# Altium PCB PCB.PcbDoc (part 3 of 3)
Units mm, origin at the board's own origin, x right, y up, seen from the top; angles counter-clockwise.
Board outline 150 x 100 mm, 4 copper layers (L1, L2, L3, L4), stack 1.787 mm thick; 184 components, 112 nets, 659 pads, 390 vias.
Unrouted connection lines stored in the file: 247.
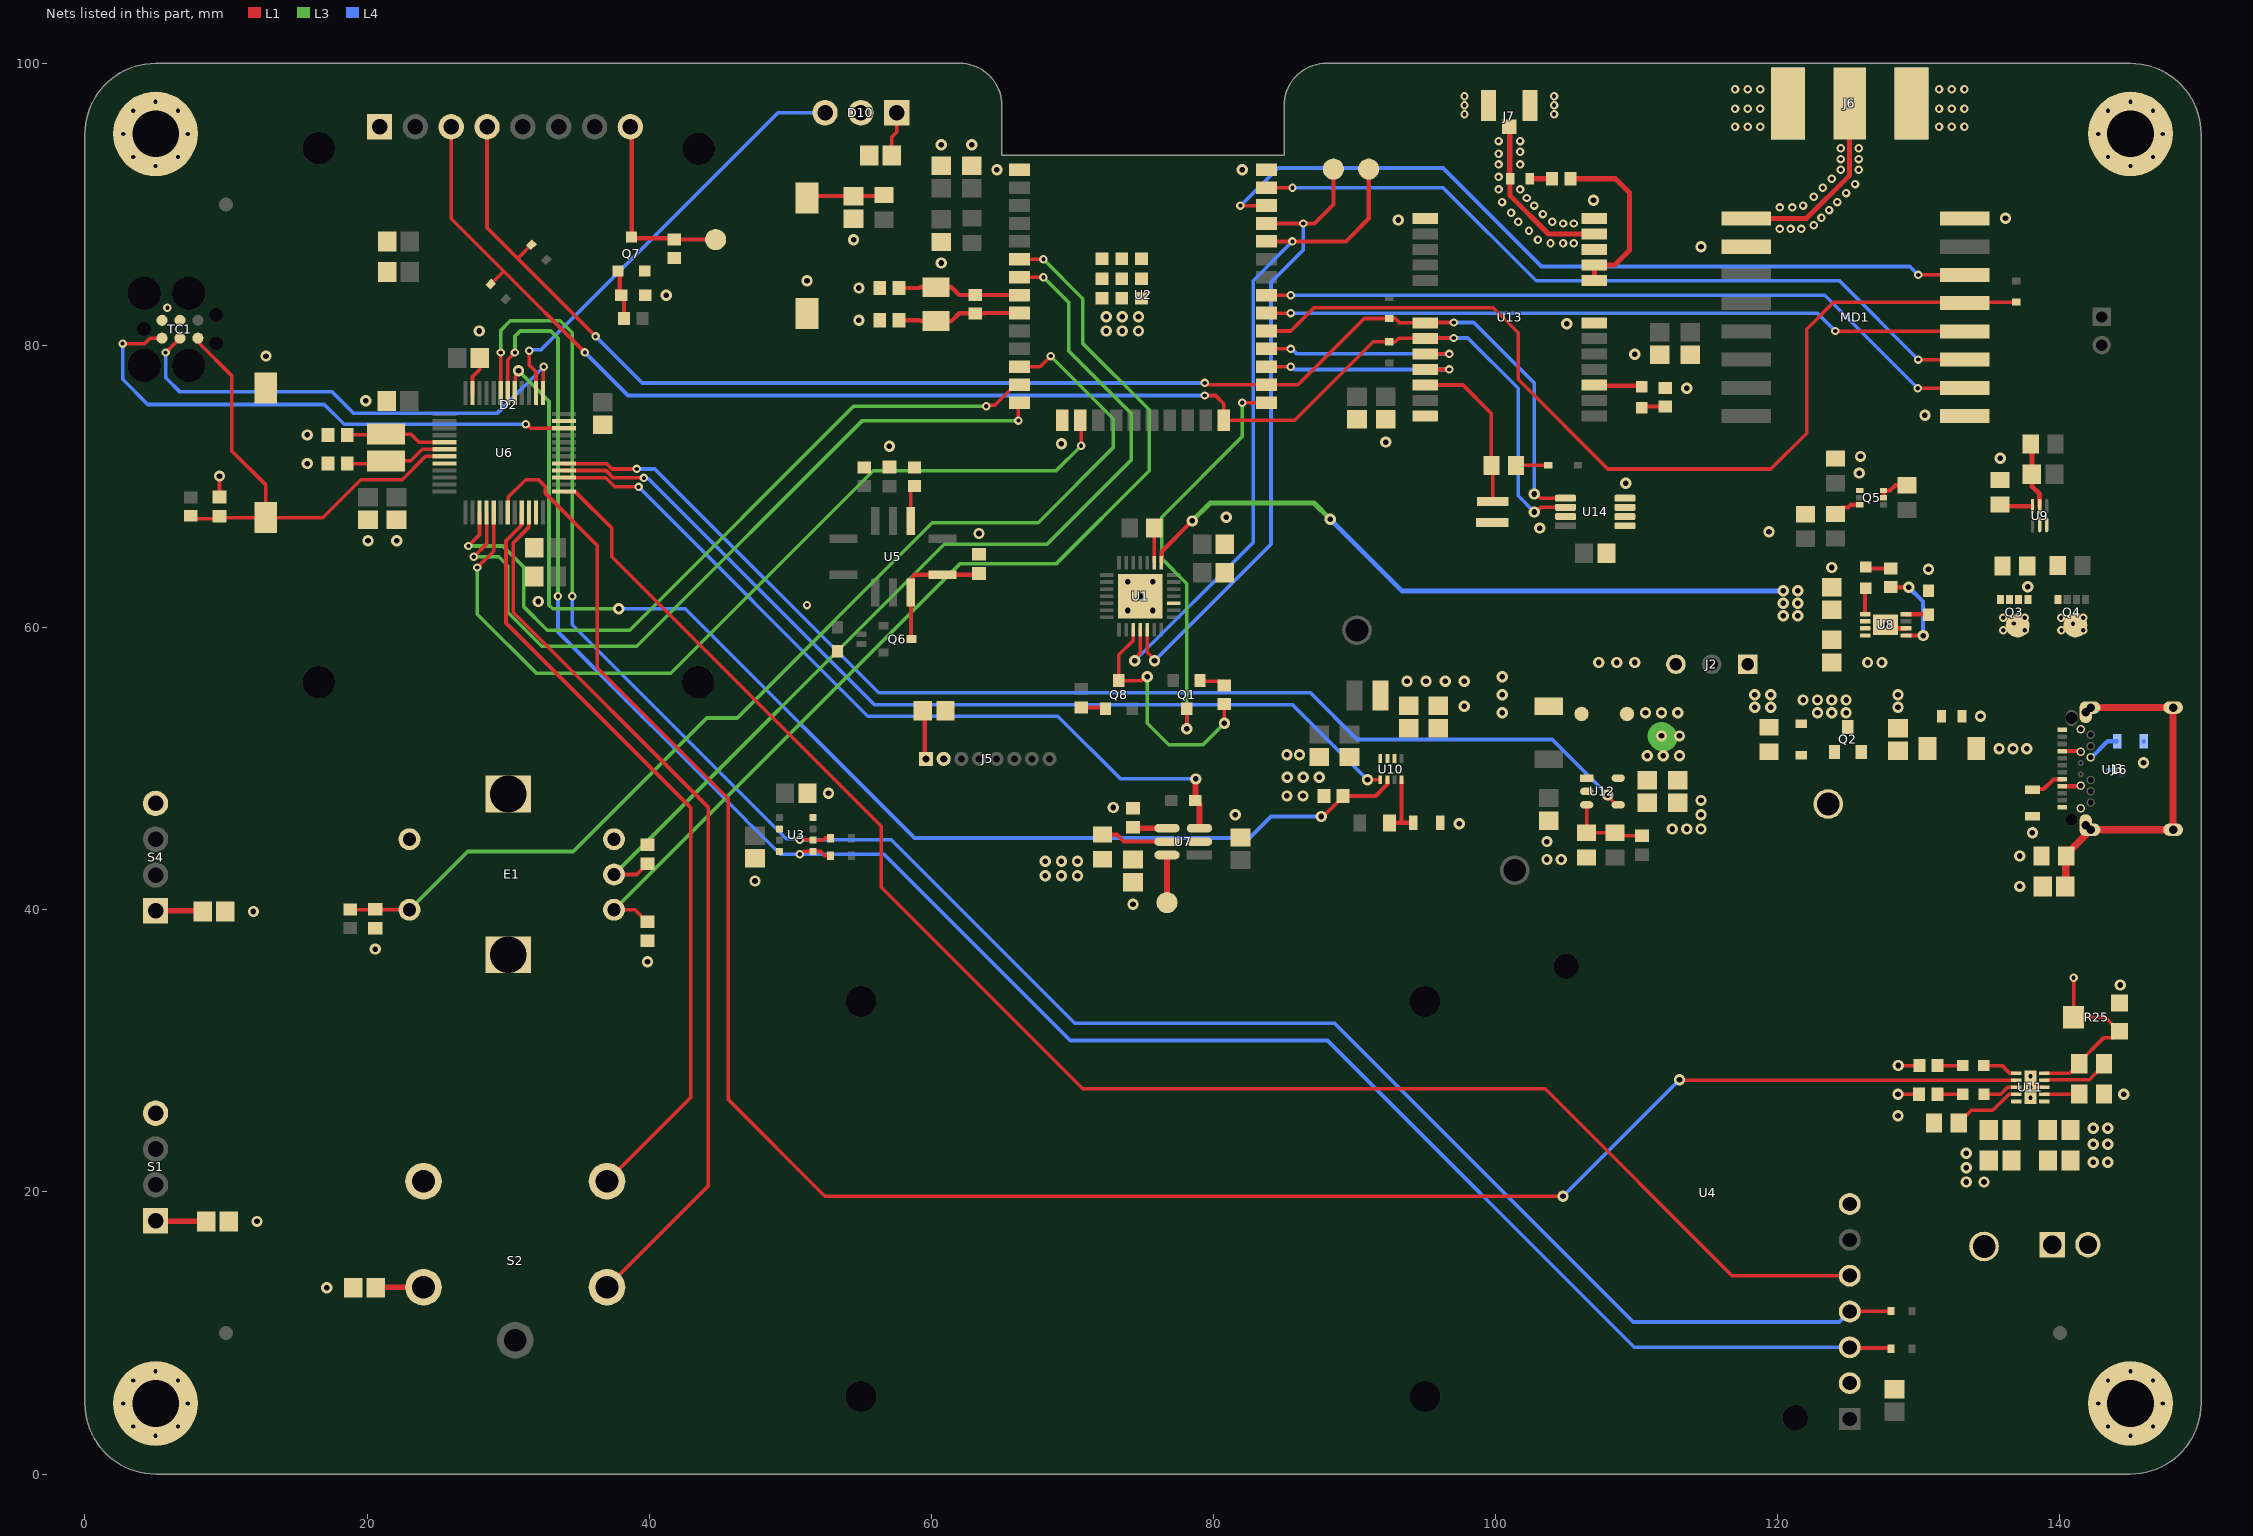
[diagram p5: the nets of this part, all layers, seen from the top]

## Via types
v1: diameter 0.6, hole 0.3, L1 to L4, tented both sides, 163 vias
v2: diameter 0.8, hole 0.4, L1 to L4, tented both sides, 113 vias
v3: diameter 0.8, hole 0.4, L1 to L4, 99 vias
v4: diameter 0.6, hole 0.3, L1 to L4, 13 vias
v5: diameter 0.4, hole 0.2, L1 to L4, tented both sides, 2 vias

## Nets (pads, with @x,y where several pads share a name; then routed paths per layer and width w, separated by ;. In a path a pad name is that pad's centre, name@x,y a point inside that pad or via, vN(x,y) a via of type N, cw(c..) or ccw(c..) an arc to the next point about the centre after c; other vN are vias at no path point) (continued)
GND: BT1.NEG C1.1 C2.1 C3.1 C4.1 C5.1 C6.2 C7.1 C8.1 C9.1 C11.1 C12.1 C13.1 C14.1 C15.1 C16.1 C17.1 C18.1 C19.1 C20.1 C22.1 C23.1 C24.1 C25.1 C26.1 C27.1 C28.1 C29.1 C30.1 C31.1 C32.1 C33.1 C34.1 C35.1 C36.1 C37.2 C38.1 C39.1 C40.1 C41.1 C42.1 C43.1 C44.1 C45.1 C46.1 C47.1 C48.1 C49.1 C50.1 C51.2 C52.1 C53.1 C54.1 C55.1 C56.1 C57.1 C58.1 C59.1 D1.1 D2.1 D10.2 E1.2 E1.C E1.S H1.1 H2.1 H3.1 H4.1 J3.A1 J3.A12 J3.B1 J3.B12 J4.2 J5.2 J6.2 J6.3 J7.2 J7.3 MD1.1 MD1.8 MD1.10 Q3.1 Q3.2 Q3.3 Q5.1 Q7.2 R9.1 R10.1 R11.1 R12.1 R14.1 R15.1 R16.1 R18.1 R23.1 R24.1 R25.3 R26.1 R29.2 R30.1 R31.1 R32.1 R33.1 R35.1 R40.1 R49.2 S1.4 S2.3 S4.4 SW1.1 SW2.2 TC1.2 TC1.4 U1.3 U1.29 U2.1 U2.15 U2.38 U2.39 U3.1 U3.5 U3.7 U4.2 U4.7 U6.8 U6.23 U6.35 U6.47 U7.2 U8.6 U8.9 U10.4 U11.3 U11.11 U12.2 U13.7 U13.10 U13.12 U13.13 U13.24 U14.1 U14.2 U14.3 U14.4 U14.7 U16.3 | length 8.6
  L1 w0.254: C49.1@9.533,69.255 v2(9.533,70.741) ; U6.47@27.468,76.628 27.468,77.784 27.978,78.294 C48.1@27.978,79.121 C48.1@27.94,79.159 ; BT1.NEG@99.742,67.449 BT1.NEG@99.822,67.369 ; MD1.10@117.745,86.995 MD1.10@117.75,87 ; v4(137.901,27.416) U11.3@138.896,27.416
  L1 w0.3: D2.1@20.88,95.5 D2.1@21.425,94.955 ; C4.1@80.802,65.913 C4.1@80.899,66.01 ; U2.38@83.746,92.456 U2.38@83.75,92.46 ; U13.12@106.934,89.066 U13.12@107,89 ; v2(109.22,70.231) v2@109.22,70.358 ; J3.B1@141.425,52.75 J3.B1@141.475,52.8
  L1 w0.35: v3(127.635,60.198) 127.885,59.948 U8.6@129.085,59.948 ; MD1.8@133.25,89 MD1.8@133.263,89.013 ; v2@136.13,89.013 v2(136.144,89.027)
  L4 w0.254: U16.3@143.466,49.911 v5(143.891,49.911)
  L4 w0.3: v2(145.923,50.419) v2@145.937,50.433 ; R15.1@145.937,51.929 R15.1@145.95,51.943
  other v1: 5,2.714 145,2.714 3.412,3.364 6.588,3.364 143.412,3.364 146.588,3.364 2.714,5 7.286,5 142.714,5 147.286,5 3.412,6.636 6.588,6.636 143.412,6.636 146.588,6.636 5,7.286 145,7.286 51.181,61.595 5.842,82.677 103.886,87.249 104.775,87.249 105.537,87.249 102.997,87.503 102.362,88.138 120.142,88.265 120.904,88.265 121.666,88.265 122.555,88.519 104.775,88.646 105.537,88.646 101.6,88.773 104.013,88.773 123.094,89.058 103.347,89.312 101.092,89.408 123.633,89.597 120.142,89.789 121.031,89.789 102.743,89.916 121.793,89.916 100.457,90.17 124.206,90.17 102.204,90.455 122.555,90.551 124.841,90.805 100.203,91.059 101.727,91.059 123.19,91.186 125.476,91.44 123.825,91.821 100.203,91.948 124.46,92.456 125.73,92.456 5,92.714 145,92.714 100.203,92.837 101.727,92.837 124.46,93.218 125.73,93.218 3.412,93.364 6.588,93.364 143.412,93.364 146.588,93.364 100.203,93.599 101.727,93.726 124.46,93.98 125.73,93.98 100.203,94.488 101.727,94.488 2.714,95 7.286,95 142.714,95 147.286,95 116.967,95.504 117.865,95.504 118.763,95.504 131.436,95.504 132.334,95.504 133.232,95.504 97.79,96.393 104.14,96.393 3.412,96.636 6.588,96.636 143.412,96.636 146.588,96.636 116.967,96.774 117.865,96.774 118.763,96.774 131.436,96.774 132.334,96.774 133.232,96.774 97.79,97.028 104.14,97.028 5,97.286 145,97.286 97.79,97.663 104.14,97.663 116.967,98.171 117.865,98.171 118.763,98.171 131.436,98.171 132.334,98.171 133.232,98.171
  other v2: 17.145,13.208 12.192,17.907 128.524,25.4 144.526,26.924 144.272,34.671 39.878,36.322 20.574,37.211 11.938,39.878 74.295,40.386 137.16,41.656 47.498,42.037 137.16,43.815 138.049,45.466 97.409,46.101 81.534,46.736 72.898,47.244 52.705,48.26 32.131,61.849 130.683,64.135 20.058,66.167 22.09,66.167 63.373,66.675 119.38,66.802 103.124,67.056 80.899,67.818 125.769,70.954 15.746,71.628 135.763,72.009 125.857,72.136 57.023,72.867 69.215,73.025 92.202,73.152 15.746,73.66 130.429,75.057 19.901,76.073 113.538,76.962 12.827,79.248 109.855,79.375 27.94,81.026 72.39,81.026 73.533,81.026 74.676,81.026 105.029,81.534 54.862,81.788 72.39,82.042 73.533,82.042 74.676,82.042 41.198,83.566 54.862,84.074 51.181,84.582 60.706,85.852 114.554,86.995 54.483,87.503 93.091,88.9 106.934,90.297 64.643,92.456 82.042,92.456 60.706,94.234 62.854,94.234
  other v3: 133.35,20.701 134.62,20.701 133.35,21.717 142.367,22.098 143.383,22.098 133.35,22.733 142.367,23.368 143.383,23.368 142.367,24.511 143.383,24.511 103.632,43.561 104.648,43.561 103.632,44.831 112.522,45.72 113.538,45.72 114.554,45.72 114.554,46.736 114.554,47.752 85.201,48.07 86.344,48.07 85.217,49.403 86.36,49.403 87.503,49.403 85.201,50.991 86.09,50.991 134.366,53.721 118.364,54.356 119.507,54.356 128.524,54.356 97.774,54.42 118.364,55.245 119.507,55.245 128.524,55.245 93.71,56.198 95.065,56.198 96.419,56.198 97.774,56.198 126.365,57.531 127.381,57.531 73.914,61.214 75.692,61.214 74.803,62.23 137.726,62.89 73.914,63.246 75.692,63.246 123.825,64.262
  other v4: 137.922,26.67 137.922,28.194
GPIO27: C43.2 E1.1 R43.1 U2.12 | length 78.5
  L1 w0.254: R43.1@18.796,40.02 18.816,40 E1.1@23,40 ; U2.12@66.25,78.49 67.695,78.49 v1(68.453,79.248)
  L3 w0.254: E1.1@23,40 27.127,44.127 34.602,44.127 44.069,53.594 46.228,53.594 60.071,67.437 67.564,67.437 72.898,72.771 72.898,74.803 v1(68.453,79.248)
GPIO34: C45.2 E1.A U2.6 | length 73.3
  L1 w0.254: E1.A@37.5,40 38.984,40 39.828,39.156 C45.2@39.878,39.156 ; U2.6@66.25,86.11 66.254,86.106 v1(67.945,86.106)
  L3 w0.254: E1.A@37.5,40 62.016,64.516 68.834,64.516 75.438,71.12 75.438,75.438 70.739,80.137 70.739,83.312 v1(67.945,86.106)
GPIO35: C44.2 E1.B U2.7 | length 68.7
  L1 w0.254: E1.B@37.5,42.5 39.111,42.5 39.624,43.013 C44.2@39.878,43.013 ; U2.7@66.246,84.844 U2.7@66.25,84.84 v1(67.941,84.84)
  L3 w0.254: E1.B@37.5,42.5 60.913,65.913 68.199,65.913 74.168,71.882 74.168,75.184 69.723,79.629 69.723,83.058 v1(67.941,84.84)
IO0: Q1.3 U2.25 | length 29.4
  L1 w0.254: Q1.3@78.097,54.245 78.105,54.237 v2(78.105,52.832) ; v1(82.042,75.946) 83.746,75.946 U2.25@83.75,75.95
  L3 w0.254: v2(78.105,52.832) 78.105,60.927 78.088,60.944 78.088,61.484 78.105,61.501 78.105,63.119 76.327,64.897 76.327,67.835 82.042,73.55 v1(82.042,75.946)
LOAD: R39.1 U6.27 U7.3 | length 57.3
  L1 w0.254: U6.27@33.956,70.64 33.979,70.617 36.915,70.617 37.555,69.977 v1(39.243,69.977)
  L1 w0.4: v2(78.74,49.276) 78.721,49.257 78.721,47.771 R39.1@78.701,47.752 78.751,47.752 79.001,47.502 U7.3@79.001,45.781
  L4 w0.254: v1(39.243,69.977) 55.499,53.721 68.961,53.721 73.406,49.276 v2(78.74,49.276)
MISO: MD1.2 U2.31 | length 52.3
  L1 w0.254: U2.31@83.75,83.57 83.754,83.566 v1(85.471,83.566) ; v1(129.921,76.962) 133.212,76.962 MD1.2@133.25,77
  L4 w0.254: v1(85.471,83.566) 123.317,83.566 v1(129.921,76.962)
MOSI: MD1.3 U2.37 | length 54.6
  L1 w0.254: U2.37@83.75,91.19 83.754,91.186 v1(85.598,91.186) ; v1(129.959,79) MD1.3@133.25,79 MD1.3@133.288,79.038
  L4 w0.254: v1(85.598,91.186) 96.266,91.186 102.87,84.582 124.377,84.582 v1(129.959,79)
NetBT1_POS: BT1.POS R41.1 U13.22 | length 11.8
  L1 w0.254: U13.22@95,77.2 97.679,77.2 99.695,75.184 R41.1@99.695,71.501 99.792,71.404 BT1.POS@99.792,68.949
NetC6_1: C6.1 R36.2 SW1.2 | length 5.5
  L1 w0.3: SW1.2@51.181,90.458 51.312,90.589 C6.1@54.483,90.589 56.567,90.589 R36.2@56.642,90.664
NetC8_2: C8.2 D1.2 F1.1 Q2.2
NetC9_2: C9.2 J2.1 U8.3 U8.4
NetC10_2: C10.2 R8.1 U9.5 | length 4.7
  L1 w0.35: R8.1@137.936,73.025 138.011,72.95 C10.2@138.011,70.866 138.011,70.016 138.557,69.47 U9.5@138.557,68.599
NetC11_2: C11.2 J3.S R16.2 | length 25.6
  L1 w0.5: C11.2@140.373,41.783 140.41,41.821 140.41,43.777 R16.2@140.448,43.815 140.448,43.915 141.848,45.315 141.848,45.485 142.033,45.67 J3.S@142.175,45.67 J3.S@148.025,45.67 J3.S@148.025,54.33 144.78,54.33 ; J3.S@141.825,54.005 142.15,54.33 144.78,54.33 ; 144.766,54.344 144.78,54.33
NetC13_2: C13.2 C14.2 C19.2 C20.2 C23.2 C58.2 J2.3 L2.1 R19.2 R20.2 TP3.1 U10.2 U11.10 U12.5 | length 3.2
  L1 w0.254: v2(128.524,26.924) R19.2@130.018,26.924 R19.2@130.033,26.939 ; v2(128.539,28.956) R20.2@130.033,28.956
  L3 w2: v3(111.76,52.324) v3@111.875,52.209
  other v3: 110.744,50.927 111.887,50.927 113.03,50.927 113.03,52.324 100.457,53.975 110.617,53.975 111.76,53.975 112.903,53.975 100.457,55.245 100.457,56.515 107.315,57.531 108.585,57.531 109.855,57.531
NetC17_2: C17.2 C18.2 J4.1 U11.1
NetC21_1: C21.1 R22.1 R24.2 U12.3 | length 6
  L1 w0.254: U12.3@106.454,47.437 106.454,45.48 R24.2@106.426,45.452 R22.1@108.458,45.452 108.658,45.252 C21.1@110.363,45.252
NetC30_2: C30.2 Q6.3 U5.H U5.J | length 9.3
  L1 w0.3: Q6.3@58.587,59.182 58.557,59.212 58.557,62.454 U5.H@58.527,62.484 58.677,62.634 58.677,63.578 58.853,63.754 U5.J@60.777,63.754 63.286,63.754 C30.2@63.373,63.841
NetC37_1: C37.1 U7.4 | length 2.4
  L1 w0.4: C37.1@74.295,45.847 74.361,45.781 U7.4@76.701,45.781
NetC46_2: C46.2 R44.1 U2.8 Y1.2 | length 8.8
  L1 w0.3: C46.2@57.698,84.074 59.168,84.074 59.225,84.131 Y1.2@60.325,84.131 61.425,84.131 61.975,83.581 R44.1@63.119,83.581 63.744,83.581 63.755,83.57 U2.8@66.25,83.57
NetC47_2: C47.2 R44.2 U2.9 Y1.1 | length 8.8
  L1 w0.3: C47.2@57.698,81.788 59.168,81.788 59.225,81.731 Y1.1@60.325,81.731 61.425,81.731 61.975,82.281 R44.2@63.119,82.281 63.744,82.281 63.763,82.3 U2.9@66.25,82.3
NetC52_2: C52.2 U6.5 Y2.2 | length 7.2
  L1 w0.254: C52.2@18.582,73.66 21.275,73.66 Y2.2@21.336,73.721 23.09,73.721 23.671,73.14 U6.5@25.48,73.14
NetC53_2: C53.2 U6.6 Y2.1 | length 7.3
  L1 w0.254: C53.2@18.582,71.628 21.143,71.628 Y2.1@21.336,71.821 23.09,71.821 23.909,72.64 U6.6@25.48,72.64
NetD2_8: D2.8 Q7.3 R49.1 TP6.1 | length 13.8
  L1 w0.3: Q7.3@38.643,87.595 Q7.3@38.735,87.687 ; D2.8@38.66,95.5 38.761,95.399 Q7.3@38.761,87.731 ; Q7.3@38.89,87.602 41.699,87.602 R49.1@41.783,87.518 41.791,87.511 44.696,87.511 TP6.1@44.704,87.503
NetD4_2: D4.2 R7.1 | length 1.8
  L1 w0.3: D4.2@126.238,64.301 126.353,64.186 R7.1@128.016,64.186
NetD5_1: D5.1 Q2.1 R9.2
NetD7_1: D7.1 R19.1 | length 1.8
  L1 w0.254: R19.1@131.318,26.924 D7.1@133.12,26.924
NetD7_2: D7.2 U11.8 | length 2.5
  L1 w0.254: D7.2@134.62,26.924 135.796,26.924 136.288,27.416 U11.8@136.906,27.416
NetD8_1: D8.1 R20.1 | length 1.8
  L1 w0.254: R20.1@131.333,28.956 D8.1@133.108,28.956
NetD8_2: D8.2 U11.6 | length 2.5
  L1 w0.254: D8.2@134.608,28.956 135.89,28.956 136.422,28.424 136.898,28.424 U11.6@136.906,28.416
NetD9_2: D9.2 L2.2 U12.1
NetD11_1: D11.1 U13.3 | length 3.4
  L1 w0.3: U13.3@107,77.2 107.062,77.138 110.302,77.138 D11.1@110.363,77.077
NetD11_2: D11.2 R40.2 | length 1.7
  L1 w0.254: D11.2@110.363,75.577 110.463,75.677 R40.2@112.014,75.677
NetD12_1: D12.1 R41.2 | length 2.3
  L1 w0.254: R41.2@101.445,71.501 D12.1@103.72,71.501
NetF1_2: F1.2 J3.A4 J3.A9 J3.B4 J3.B9 | length 2.7
  L1 w0.3: J3.A4@140.165,48.75 141.425,48.75 J3.B9@141.475,48.8 ; J3.A9@140.165,51.25 141.425,51.25 J3.B4@141.475,51.2
  other v3: 135.687,51.41 136.677,51.41 137.643,51.41
NetJ3_A5: J3.A5 R14.2 | length 2.4
  L1 w0.3: R14.2@138.049,48.514 138.086,48.551 138.848,48.551 139.537,49.24 140.155,49.24 J3.A5@140.165,49.25
NetJ3_B5: J3.B5 R15.2 | length 2.3
  L4 w0.3: J3.B5@142.175,50.8 142.24,50.8 143.383,51.943 R15.2@144.05,51.943
NetJ6_1: J6.1 MD1.9 | length 13.7
  L1 w0.362: MD1.9@117.75,89 122.02,89 125.095,92.075 J6.1@125.095,97.155
NetJ7_1: J7.1 L3.1 U13.11 | length 12
  L1 w0.362: J7.1@100.965,95.503 100.996,95.472 100.996,91.852 L3.1@101.027,91.821 101.027,90.616 103.743,87.9 U13.11@107,87.9
NetL1_1: L1.1 U10.3
NetL3_2: L3.2 R42.1 | length 1.6
  L1 w0.362: L3.2@102.427,91.821 R42.1@103.998,91.821
NetQ1_1: Q1.1 R4.1 | length 1.9
  L1 w0.254: Q1.1@79.047,56.245 79.097,56.195 80.267,56.195 80.269,56.193 80.466,56.193 R4.1@80.764,55.895
NetQ3_4: Q3.4 R12.2 U9.2
NetQ3_5-6-7-8: Q3.5-6-7-8 Q4.5-6-7-8
  other v4: 135.989,59.808 137.513,59.808 140.106,59.817 141.656,59.817 140.919,60.274 136.726,60.291 135.989,60.697 137.513,60.697 140.081,60.706 141.656,60.706
NetQ4_4: Q4.4 R13.1 U9.3
NetQ5_3: Q5.3 R28.2 | length 2
  L1 w0.3: R28.2@124.079,68.058 124.527,68.506 124.968,68.506 125.177,68.715 Q5.3@125.808,68.715
NetQ5_5: Q5.5 Q5.6 R27.2 | length 2.3
  L1 w0.3: Q5.5@127.508,69.215 Q5.6@127.508,69.715 127.959,69.715 128.334,70.09 R27.2@129.159,70.09
NetQ7_1: Q7.1 R34.2 R35.2 | length 3.5
  L1 w0.3: Q7.1@37.912,85.23 37.912,83.793 38.212,83.493 R34.2@38.212,81.915 R34.2@38.139,81.988
NetQ8_1: Q8.1 R6.1 | length 1.8
  L1 w0.3: R6.1@70.612,54.341 72.241,54.341 Q8.1@72.337,54.245
NetR2_2: R2.2 U1.9 | length 2.5
  L1 w0.254: U1.9@75.805,64.602 R2.2@75.805,67.056
NetR7_2: R7.2 U8.5 | length 6.4
  L1 w0.254: U8.5@129.085,59.448 U8.5@129.091,59.442 ; v2@130.296,59.442 v2(130.302,59.436)
  L1 w0.3: R7.2@128.016,62.886 128.037,62.865 v2(129.286,62.865) ; U8.5@129.091,59.442 v2@130.296,59.442
  L4 w0.3: v2(129.286,62.865) 130.302,61.849 v2(130.302,59.436)
NetR10_2: R10.2 U8.8 | length 1.6
  L1 w0.3: U8.8@129.085,60.948 130.581,60.948 R10.2@130.683,61.05
NetR11_2: R11.2 U9.6 | length 2.3
  L1 w0.3: R11.2@135.763,68.721 135.885,68.599 U9.6@138.057,68.599
NetR17_2: R17.2 R18.2 U10.8 | length 4.8
  L1 w0.3: R17.2@92.474,46.165 93.346,46.165 ; U10.8@93.317,49.225 93.317,46.194 93.346,46.165 ; R18.2@94.218,46.165 93.346,46.165
NetR21_2: R21.2 U11.4 | length 4.8
  L1 w0.254: U11.4@138.896,27.916 138.904,27.924 139.21,27.924 139.236,27.951 142.083,27.951 143.115,28.983 R21.2@143.115,29.083
NetR23_2: R23.2 U11.9 | length 5
  L1 w0.254: R23.2@132.828,24.892 132.828,24.992 133.276,25.44 133.376,25.44 133.717,25.781 135.236,25.781 136.363,26.908 136.898,26.908 U11.9@136.906,26.916
NetR26_2: R26.2 U11.2 | length 2.5
  L1 w0.254: U11.2@138.896,26.916 141.357,26.916 R26.2@141.365,26.924
NetR32_2: R32.2 U5.A | length 2.6
  L1 w0.254: U5.A@58.527,67.564 58.527,69.782 R32.2@58.801,70.056
NetR38_1: R38.1 U7.5 | length 4.8
  L1 w0.3: R38.1@72.136,45.325 73.166,45.325 73.66,44.831 U7.5@76.701,44.831
NetR42_2: R42.2 U13.8 U13.9 | length 12.7
  L1 w0.362: R42.2@105.298,91.821 108.5,91.821 109.474,90.847 109.474,86.741 108.433,85.7 U13.9@107,85.7 U13.8@107,84.6
NRST: C49.2 R5.1 SW2.1 TC1.5 U6.7 | length 34.5
  L1 w0.254: R5.1@7.501,67.705 9.458,67.705 9.533,67.78 12.812,67.78 SW2.1@12.827,67.795 ; TC1.5@8.128,80.501 8.103,80.476 8.103,80.162 10.39,77.875 10.39,72.541 12.827,70.104 SW2.1@12.827,67.795 ; U6.7@25.48,72.14 24.144,72.14 22.489,70.485 19.551,70.485 16.861,67.795 SW2.1@12.827,67.795
RDY: U4.5 U6.25 | length 117.9
  L1 w0.254: U6.25@33.956,69.64 33.979,69.617 34.777,69.617 37.338,67.056 37.338,65.024 56.453,45.909 56.453,41.591 70.739,27.305 103.505,27.305 116.75,14.06 U4.5@125.1,14.06
REG_3V3: U6.28 U10.5 | length 66.9
  L1 w0.254: U6.28@33.956,71.14 36.928,71.14 37.456,70.612 v1(39.624,70.612) ; v2(90.916,49.213) 90.922,49.219 91.811,49.219 U10.5@91.817,49.225
  L4 w0.254: v1(39.624,70.612) 39.69,70.546 39.944,70.546 55.945,54.545 85.584,54.545 v2(90.916,49.213)
REG_5V: U6.29 U12.4 | length 84.8
  L1 w0.254: U6.29@33.956,71.64 33.979,71.617 36.987,71.617 37.357,71.247 v1(39.116,71.247) ; v2(107.95,48.133) 107.95,48.043 108.556,47.437 U12.4@108.685,47.437
  L4 w0.254: v1(39.116,71.247) 40.386,71.247 56.261,55.372 86.868,55.372 90.17,52.07 104.013,52.07 v2(107.95,48.133)
RST: MD1.6 U2.36 | length 57.5
  L1 w0.254: v1(81.91,89.916) 83.754,89.916 U2.36@83.75,89.92 ; v1(129.959,85) MD1.6@133.25,85 MD1.6@133.288,85.038
  L4 w0.254: v1(81.91,89.916) 84.577,92.583 96.266,92.583 103.251,85.598 129.361,85.598 v1(129.959,85)
RTS: Q8.3 R4.2 U1.24 | length 17.6
  L1 w0.254: U1.24@74.303,59.86 74.3,59.857 74.3,59.082 73.287,58.069 Q8.3@73.287,56.245 74.893,56.245 75.163,56.515 v2(75.311,56.515) ; R4.2@80.764,54.595 80.772,54.587 v2(80.772,53.213)
  L3 w0.254: v2(75.311,56.515) 75.311,53.213 76.835,51.689 79.248,51.689 v2(80.772,53.213)
RX: TP5.1 U1.25 U2.34 | length 48.1
  L1 w0.254: v2(74.422,57.658) 74.422,57.806 74.803,58.187 U1.25@74.803,59.86
  L1 w0.3: U2.34@83.75,87.38 v1(85.594,87.38) 89.38,87.38 91,89 TP5.1@91,92.502
  L4 w0.254: v2(74.422,57.658) 82.804,66.04 82.804,84.59 v1(85.594,87.38)
RXD: U2.27 U13.21 | length 14.8
  L1 w0.254: U2.27@83.754,78.486 v1(85.471,78.486) ; U13.21@95,78.3 v1(96.717,78.3)
  L4 w0.254: v1(85.471,78.486) 85.565,78.486 85.751,78.3 v1(96.717,78.3)
S\S\: MD1.5 R50.2 U2.29 | length 69.8
  L1 w0.254: U2.29@83.75,81.03 83.754,81.026 85.471,81.026 87.122,82.677 99.822,82.677 101.6,80.899 101.6,77.597 107.95,71.247 119.507,71.247 122.047,73.787 122.047,81.153 123.952,83.058 130.048,83.058 133.192,83.058 MD1.5@133.25,83 133.32,83.07 R50.2@136.906,83.07
SCK: MD1.4 U2.30 | length 50.1
  L1 w0.254: U2.30@83.75,82.3 83.754,82.296 v1(85.471,82.296) ; v1(124.079,81.026) 124.092,81.013 129.946,81.013 129.959,81 MD1.4@133.25,81 MD1.4@133.288,81.038
  L4 w0.254: v1(85.471,82.296) 122.809,82.296 v1(124.079,81.026)
SCL: R45.1 R46.1 U3.4 U4.3 U6.42 | length 146.5
  L1 w0.254: U6.42@29.968,76.628 29.968,78.99 v1(30.48,79.502) ; v1(50.673,43.942) 50.767,43.942 50.964,44.139 U3.4@51.619,44.139 52.143,44.139 52.467,43.815 R45.1@52.844,43.815 ; U4.3@125.1,8.98 125.145,8.935 127.983,8.935 R46.1@128.028,8.89
  L3 w0.254: v1(30.48,79.502) 30.48,80.645 30.861,81.026 33.02,81.026 33.528,80.518 v1(33.528,62.23) ; v1(50.673,43.942) v1@50.72,43.942
  L4 w0.254: v1(33.528,62.23) 33.528,59.69 46.846,46.372 46.846,46.339 47.228,45.957 47.261,45.957 49.276,43.942 v1(50.673,43.942) 56.642,43.942 69.85,30.734 88.079,30.734 109.833,8.98 U4.3@125.1,8.98
SCL2: D2.3 R48.1 R52.1 U2.24 U13.19 U14.6 | length 105.6
  L1 w0.254: D2.3@25.96,95.5 25.96,88.988 29.681,85.266 ; R52.1@28.765,84.35 29.681,85.266 ; v1(35.439,79.508) 29.681,85.266 ; v1(79.375,76.454) 80.137,76.454 80.715,75.876 U2.24@80.715,74.7 85.749,74.7 91.317,80.268 91.731,80.268 91.735,80.264 R48.1@92.456,80.264 92.883,80.264 93.119,80.5 U13.19@95,80.5 ; U13.19@94.93,80.53 v1(97.024,80.53) ; v2(102.743,68.199) 102.891,68.199 103.216,68.524 U14.6@104.956,68.524
  L4 w0.254: v1(35.439,79.508) 38.494,76.454 v1(79.375,76.454) ; v1(97.024,80.53) 98.032,80.53 101.6,76.962 101.6,69.342 v2(102.743,68.199)
SDA: R3.1 R37.1 U3.3 U4.4 U6.43 | length 147.4
  L1 w0.254: v1(29.464,79.502) 29.466,79.5 29.466,76.63 U6.43@29.468,76.628 ; v1(50.673,44.958) 50.682,44.949 51.61,44.949 U3.3@51.619,44.939 52.321,44.939 52.467,45.085 R37.1@52.844,45.085 ; U4.4@125.1,11.52 125.119,11.539 128.01,11.539 R3.1@128.028,11.557
  L3 w0.254: v1(29.464,79.502) 29.464,81.066 30.143,81.744 33.699,81.744 34.544,80.899 v1(34.544,62.23)
  L4 w0.254: v1(34.544,62.23) 34.544,60.198 49.718,45.024 50.607,45.024 v1(50.673,44.958) 57.15,44.958 70.165,31.943 88.58,31.943 109.747,10.776 124.356,10.776 U4.4@125.1,11.52
SDA2: D2.4 R47.1 R51.1 U2.26 U13.18 U14.5 | length 101.3
  L1 w0.254: D2.4@28.5,95.5 28.5,88.34 v1(36.195,80.645) ; 30.729,86.228 R51.1@31.645,87.144 R51.1@31.563,87.144 ; v1@79.592,77.22 U2.26@83.75,77.22 85.983,77.22 90.678,81.915 R47.1@92.456,81.915 92.883,81.915 93.198,81.6 U13.18@95,81.6 U13.18@95.061,81.661 ; U13.18@94.93,81.63 v1(97.024,81.63) ; v2(102.743,69.469) 102.891,69.469 103.186,69.174 U14.5@104.956,69.174
  L4 w0.254: v1(36.195,80.645) 39.497,77.343 v1(79.375,77.343) ; v1(97.024,81.63) 98.456,81.63 102.743,77.343 v2(102.743,69.469)
SIG: D10.3 U6.38 | length 31.1
  L1 w0.254: v1(31.496,79.629) 31.496,78.616 31.968,78.144 U6.38@31.968,76.628
  L4 w0.254: v1(31.496,79.629) 31.562,79.695 32.324,79.695 49.129,96.5 D10.3@52.46,96.5
SO2_RX: S2.5 U6.22 | length 64.1
  L1 w0.254: U6.22@31.468,68.152 31.445,68.129 31.445,67.098 30.351,66.004 30.351,64.083 30.353,64.081 30.353,61.088 44.196,47.245 44.196,20.434 S2.5@37.002,13.241
SO2_TX: S2.4 U6.21 | length 55.7
  L1 w0.254: U6.21@30.968,68.152 30.945,68.129 30.945,67.267 29.847,66.169 29.847,60.323 42.926,47.244 42.926,26.683 S2.4@37.002,20.759
Solar_E\N\: U6.19 U11.7 | length 150.9
  L1 w0.254: U6.19@29.968,68.152 29.991,68.175 29.991,69.234 31.242,70.485 32.15,70.485 32.639,69.996 32.639,69.504 36.322,65.821 36.322,57.15 45.593,47.879 45.593,26.543 52.451,19.685 v2(104.775,19.685) ; v2(113.03,27.94) 113.046,27.924 136.898,27.924 U11.7@136.906,27.916
  L4 w0.254: v2(104.775,19.685) v2(113.03,27.94)
SPI_MISO: U2.14 U6.16 | length 54.6
  L1 w0.254: v1(27.559,65.024) 28.468,65.933 U6.16@28.468,68.152 ; v1(66.167,74.676) 66.167,75.867 U2.14@66.25,75.95
  L3 w0.254: v1(27.559,65.024) 29.337,65.024 29.972,64.389 29.972,61.087 32.385,58.674 39.116,58.674 55.118,74.676 v1(66.167,74.676)
SPI_MOSI: U2.16 U6.17 | length 60.7
  L1 w0.254: v1(27.813,64.262) 28.968,65.417 U6.17@28.968,68.152 ; U2.16@70.555,74.7 70.612,74.643 v1(70.612,72.898)
  L3 w0.254: v1(27.813,64.262) 27.816,64.259 27.816,60.957 32.004,56.769 41.529,56.769 55.88,71.12 68.834,71.12 v1(70.612,72.898)
SPI_SCK: U2.13 U6.15 | length 53.1
  L1 w0.254: v1(27.178,65.786) 27.968,66.576 U6.15@27.968,68.152 ; v1(63.881,75.692) 63.947,75.758 64.488,75.758 65.95,77.22 U2.13@66.25,77.22
  L3 w0.254: v1(27.178,65.786) 29.609,65.786 31.115,64.28 31.115,61.468 32.766,59.817 38.608,59.817 54.483,75.692 v1(63.881,75.692)
SS: C16.2 U6.41 U10.6 | length 87.4
  L1 w0.254: U6.41@30.468,76.628 30.491,76.651 30.491,77.824 30.734,78.067 v2(30.734,78.215) v2@30.734,78.232 ; v2(87.63,46.609) 87.767,46.609 89.178,48.02 C16.2@89.178,48.07
  L1 w0.3: C16.2@89.178,48.07 91.495,48.07 92.307,48.882 92.307,49.215 U10.6@92.317,49.225
  L3 w0.254: v2(30.734,78.215) 32.893,76.056 32.893,61.595 33.147,61.341 v2(37.846,61.341)
  L4 w0.254: v2(37.846,61.341) 42.545,61.341 58.801,45.085 82.55,45.085 84.074,46.609 v2(87.63,46.609)
SWCLK: TC1.3 U6.37 | length 34.3
  L1 w0.254: v1(5.715,79.502) TC1.3@6.731,80.518 ; U6.37@32.468,76.628 32.49,76.65 32.49,78.464 v1(32.512,78.486)
  L4 w0.254: v1(5.715,79.502) 5.715,77.724 6.731,76.708 17.526,76.708 19.05,75.184 29.21,75.184 v1(32.512,78.486)
SWDIO: TC1.1 U6.34 | length 38.2
  L1 w0.254: v1(2.667,80.137) 4.232,80.137 4.613,80.518 TC1.1@5.461,80.518 ; v1(31.242,74.422) 31.336,74.422 31.618,74.14 U6.34@33.956,74.14
  L4 w0.254: v1(2.667,80.137) 2.667,77.597 4.445,75.819 16.971,75.819 18.368,74.422 v1(31.242,74.422)
TS: R21.1 R25.1 R25.2 U11.5 | length 13.1
  L1 w0.254: U11.5@138.896,28.416 140.698,28.416 140.817,28.535 140.917,28.535 141.365,28.983 R21.1@141.365,29.083 141.365,29.183 143.094,30.912 143.747,30.912 R25.1@144.22,31.385 143.22,32.385 R25.2@140.97,32.385 v1(140.97,35.179)
TX: TP8.1 U1.26 U2.35 | length 45.6
  L1 w0.254: U1.26@75.303,59.86 75.303,58.246 75.819,57.73 v2(75.819,57.658)
  L1 w0.3: U2.35@83.75,88.65 83.754,88.646 87.146,88.646 88.5,90 TP8.1@88.5,92.5
  L4 w0.254: v2(75.819,57.658) 78.723,60.562 79.392,61.231 84.074,65.913 84.074,84.477 86.36,86.763 v1(86.36,88.646)
TXD: U2.28 U13.20 | length 14.8
  L1 w0.254: U2.28@83.75,79.76 83.754,79.756 v1(85.471,79.756) ; U13.20@95,79.4 v1(96.717,79.4)
  L4 w0.254: v1(85.471,79.756) 85.565,79.756 85.921,79.4 v1(96.717,79.4)
VBUS: C7.2 D4.1 D5.2 Q2.3 TP1.1 U1.8 U8.1 U8.2 | length 50.8
  L1 w0.3: U1.8@76.303,64.6 76.303,65.381 v2(78.486,67.564) ; U8.1@126.185,60.948 126.185,62.748 D4.1@126.238,62.801
  L3 w0.35: v2(78.486,67.564) 79.756,68.834 87.122,68.834 v2(88.265,67.691)
  L4 w0.35: v2(88.265,67.691) 93.345,62.611 v3(120.396,62.611)
  other v3: 122.809,53.975 123.825,53.975 124.841,53.975 121.793,54.864 122.809,54.864 123.825,54.864 124.841,54.864 120.396,60.833 121.412,60.833 120.396,61.722 121.412,61.722 121.412,62.611
VCC: C24.2 C25.2 C26.2 C29.2 C35.2 C59.2 D10.1 J5.1 R38.2 S1.1 S2.2 S4.1 TP7.1 U7.6 | length 20.4
  L1 w0.254: C29.2@57.188,93.472 57.188,94.78 57.54,95.132 D10.1@57.54,96.5
  L1 w0.3: C59.2@59.525,54.102 59.525,50.8 J5.1@59.625,50.7
  L1 w0.4: S1.1@5,17.96 5.053,17.907 C25.2@8.598,17.907 ; S4.1@5,39.92 8.302,39.92 C26.2@8.344,39.878 ; C24.2@20.612,13.208 20.645,13.241 S2.2@23.998,13.241 ; TP7.1@76.701,40.506 U7.6@76.701,43.881
  other v3: 68.072,42.418 69.215,42.418 70.358,42.418 68.072,43.434 69.215,43.434 70.358,43.434
pads on no net: D2. D2.7 FID1.1 FID2.1 FID3.1 J3. J3.A2 J3.A3 J3.A8 J3.A10 J3.A11 J3.B2 J3.B3 J3.B8 J3.B10 J3.B11 J5.7 J5.8 MD1.7 MD1.11 MD1.12 MD1.15 MD1.16 S1.3 S2.1 S4.3 TC1.None U1.1 U1.2 U1.10 U1.11 U1.12 U1.13 U1.14 U1.15 U1.16 U1.17 U1.18 U1.19 U1.20 U1.21 U1.22 U1.23 U1.27 U2.4 U2.5 U2.17 U2.18 U2.19 U2.20 U2.21 U2.22 U2.32 U4. U5.C U5.D U5.E U5.F U5.G U5.K U6.2 U6.3 U6.4 U6.13 U6.39 U6.40 U6.44 U6.45 U6.46 U8.7 U9.1 U10.1 U13.1 U13.2 U13.4 U13.5 U13.6 U13.14 U13.15 U13.16 U13.17 U15.1

## Polygon pours and split planes (outlines as drawn)
3V3 on L3 "3V3_L03_P011" (solid, remove dead copper, pour order 11): 0,0 0,100 0.076,100.076 150,100.076 150,0
NetC13_2 on L3 "NETC13_2_L03_P008" (solid, remove dead copper, pour order 8): 99.06,52.832 99.06,58.928 113.792,58.928 113.792,49.784 109.728,49.784 109.728,52.832
VCC on L3 "VCC_L03_P003" (solid, remove dead copper, pour order 3): 9.144,30.226 66.802,30.226 66.802,44.958 71.628,44.958 71.628,27.305 9.144,27.305
VCC on L3 "VCC_L03_P002" (solid, pour order 2): 3.81,19.05 8.255,19.05 8.255,38.735 3.81,38.735 3.81,41.275 10.16,41.275 10.16,16.51 3.81,16.51
GND on L4 "GND_L04_P010" (solid, remove dead copper, pour order 10): 0,0 0,100 0.076,100.076 150.368,100.076 150.368,0
GND on L2 "GND_L02_P000" (solid, remove dead copper, pour order 0): 0,0 0,100.076 150.368,100.076 150.368,0
GND on L1 "GND_L01_P006" (solid, remove dead copper, pour order 6): 0,0 0,100 150,100 150,0

## Keep-outs
Keep-Out Layer:
  the board outline again, w0.2

## Other copper
L1:
  region net GND: 123.444,58.166 123.444,56.896 127.889,56.896 127.889,58.166
  rectangle net GND: 117.729,52.324 120.142,55.753
  rectangle net GND: 112.014,45.212 115.189,48.006
  rectangle net GND: 132.842,20.193 135.613,23.304
  rectangle net GND: 123.125,62.357 124.525,64.77
  rectangle net GND: 127.762,52.226 129.286,55.88
  rectangle net VCC: 67.564,41.656 70.866,43.053
  rectangle net 5V: 81.214,40.152 84.963,44.196
  rectangle net NetC13_2: 133.35,14.986 136.271,17.272
  rectangle net BAT+: 128.484,67.691 132.842,68.961
  region net NetQ3_5-6-7-8: 135.526,61.13 142.068,61.13 142.068,59.307 135.527,59.307 135.526,59.308
  region net GND: 136.177,61.69 136.177,62.319 136.748,62.89 137.084,62.89 137.084,64.999 137.115,65.03 138.256,65.03 138.256,61.979 137.973,61.697
  region net GND: 91.957,50.42 91.133,50.42 90.818,50.105 88.336,50.105 88.336,47.624 88.274,47.562 84.693,47.562 84.693,51.478 90.758,51.478 91.17,51.067 91.957,51.067
  region net GND: 98.407,53.784 93.075,53.784 93.075,56.833 98.411,56.833
  region net GND: 143.891,21.544 143.891,25.084 140.096,25.084 140.096,21.525 140.096,21.514
  region net GND: 135.613,21.524 135.613,21.525 135.613,25.084 134.313,25.084 134.313,21.525 134.313,21.514
  region net GND: 110.046,48.239 115.189,48.239 115.189,46.862 110.044,46.862
  region net GND: 107.112,44.272 104.826,44.272 104.52,44.578 104.52,45.593 102.999,45.593 102.997,45.591 102.997,42.926 107.112,42.926
  region net GND: 106.934,48.641 105.588,48.641 105.156,48.209 105.156,47.193 104.951,46.988 102.994,46.988 102.994,45.595 102.997,45.591 102.999,45.593 104.52,45.593 105.74,46.814 105.74,48.006 106.934,48.006 106.934,48.031
  pour cut-out: 138.068,61.601 138.444,61.976 139.493,61.976 139.493,61.567 138.075,61.567
  region net VCC: 77.851,44.196 67.564,44.196 67.564,42.926 75.668,42.926 76.303,43.561 77.851,43.561
  region net 5V: 100.203,51.25 100.203,47.244 104.777,47.244 104.777,51.306 104.775,51.308
  region net NetC17_2: 139.573,20.447 140.462,19.558 140.462,15.24 139.573,15.24
  region net NetQ4_4: 140.118,61.703 140.118,62.546 140.462,62.89 140.462,64.94 140.316,65.086 139.269,65.086 139.269,62.89 139.618,62.54 139.618,61.703
  region net BAT-: 140.269,62.328 142.367,62.328 142.367,61.692 140.27,61.692
  region net NetQ3_4: 135.525,61.691 135.525,62.319 135.255,62.59 135.255,63.856 136.525,63.856 136.525,63.319 136.026,62.82 136.026,61.695
  region net BAT-: 141.984,71.579 142.189,71.579 142.189,80.772 143.724,80.772 143.724,70.193 141.988,70.193
  region net BAT+: 139.104,72.35 139.104,80.049 141.859,82.804 143.764,82.804 143.764,81.3 142.006,81.3 140.335,79.629 140.335,72.35
  region net BAT-: 141.021,61.862 141.021,70.129 140.98,70.17 138.961,70.17 138.961,71.577 142.367,71.577 142.367,61.848
  region net NetC13_2: 99.695,53.319 99.695,58.293 101.219,58.293 101.219,53.369
  region net 3V3: 90.586,56.248 90.586,53.565 90.586,51.777 86.787,51.777 86.787,53.062 87.636,53.912 88.859,53.912 88.859,55.715 89.392,56.248
  region net NetC13_2: 92.958,50.406 92.958,51.204 93.678,51.924 101.219,51.924 101.219,53.508 93.129,53.508 92.672,53.051 92.672,50.406
  region net NetL1_1: 92.456,56.247 92.456,50.419 92.177,50.419 92.178,50.859 92.182,51.198 91.754,51.626 91.456,51.626 91.221,51.875 91.221,56.235
  region net NetC13_2: 111.887,58.293 100.203,58.293 100.203,56.642 111.887,56.642
  region net NetQ4_4: 138.938,67.691 138.938,65.417 139.269,65.086 139.269,63.714 140.462,63.714 140.462,66.167 139.7,66.167 139.192,66.675 139.192,67.691
  region net NetQ3_4: 138.43,67.691 138.428,67.689 138.428,66.744 137.851,66.167 135.255,66.167 135.255,63.627 136.525,63.627 136.525,65.028 136.902,65.405 138.684,65.405 138.684,67.691
  region net NetC13_2: 113.753,54.496 113.753,58.293 111.887,58.293 111.887,54.471
  region net NetC13_2: 108.229,49.073 108.229,54.433 108.457,54.661 113.753,54.661 113.753,48.537 109.35,48.537 108.814,49.073
  region net VBUS: 119.888,61.722 119.888,63.119 122.047,63.119 122.047,61.722
  region net VBUS: 126.568,60.3 119.888,60.3 119.888,61.917 124.57,61.917 125.4,61.087 126.568,61.087
  region net VBUS: 121.25,55.499 125.374,55.499 125.374,52.451 122.403,52.451 122.098,52.756 121.25,52.756
  region net NetC9_2: 117.094,56.642 117.094,59.182 117.996,60.084 123.317,60.084 123.317,58.477 118.618,58.477 118.618,56.642
  region net NetC9_2: 126.568,60.088 123.125,60.088 123.125,58.471 124.57,58.471 125.4,59.301 126.568,59.301
  region net NetC8_2: 129.982,52.258 131.184,53.46 131.184,54.284 131.191,54.289 131.184,54.296 131.193,54.305 132.055,54.305 132.055,52.984 131.227,52.157 131.227,51.918 129.985,51.918
  region net NetF1_2: 140.513,51.41 139.624,51.41 138.582,52.262 133.325,52.262 133.325,50.597 138.684,50.597 139.649,51.079 140.513,51.079
  region net NetD5_1: 118.693,51.815 118.694,51.816 123.469,51.816 123.622,51.664 124.435,51.664 124.435,50.622 118.718,50.622
  region net NetC8_2: 125.476,51.689 127.635,51.689 127.889,51.943 129.921,51.943 130.235,52.257 131.227,52.257 131.227,50.614 125.476,50.614
  region net NetC17_2: 139.294,26.553 139.294,25.273 139.606,25.273 139.796,25.083 139.796,15.24 138.508,15.24 138.508,26.553
  region net NetC13_2: 136.423,26.556 136.423,25.286 136.111,25.286 135.921,25.096 135.921,14.986 137.272,14.986 137.272,26.556
  region net NetD9_2: 105.884,49.073 105.884,50.922 105.334,51.472 105.334,53.797 102.768,53.797 102.659,53.907 102.659,55.148 106.955,55.148 106.955,49.073
L3:
  rectangle net 5V: 122.936,3.048 125.984,4.826
  rectangle net 5V: 98.425,6.35 122.174,7.493
  rectangle net 5V: 98.425,7.366 99.695,40.513
  rectangle net NetC13_2: 130.048,14.986 136.017,17.526
  rectangle net NetC13_2: 128.27,14.986 130.81,21.844
  rectangle net NetC13_2: 118.11,21.59 130.81,24.092
  rectangle net NetC13_2: 118.11,21.59 120.65,52.578
  rectangle net NetC13_2: 109.728,49.53 120.65,52.832
  rectangle net NetC13_2: 111.887,54.102 113.792,58.166
  rectangle net NetC13_2: 109.982,50.165 113.792,54.61
  rectangle net VCC: 18.796,14.605 21.336,28.194
  rectangle net VCC: 18.796,11.811 25.654,14.732
  rectangle net VCC: 8.382,62.103 25.146,64.008
  rectangle net VCC: 23.368,63.754 25.146,90.932
  rectangle net VCC: 8.255,40.578 10.16,64.008
  rectangle net VCC: 23.368,89.281 58.42,90.932
  rectangle net VCC: 56.642,89.408 58.42,97.409
  rectangle net VCC: 58.928,43.561 60.132,51.181
  rectangle net VCC: 58.928,43.434 67.056,44.958
  rectangle net VBUS: 122.428,46.355 124.714,53.594
  rectangle net 5V: 99.695,43.688 102.997,51.435
  rectangle net 5V: 81.28,40.005 102.997,43.815
  rectangle net BAT+: 114.3,67.564 131.064,69.088
  rectangle net BAT+: 114.3,56.515 116.332,68.58
  region net 5V: 124.968,4.699 122.174,7.493 121.158,6.477 122.936,4.699
  region net BAT+: 130.302,67.564 141.097,67.564 141.097,81.28 143.764,81.28 143.764,82.804 139.573,82.804 139.573,78.181 139.573,77.8 139.573,77.241 139.573,77.216 139.573,77.191 139.573,76.048 139.598,76.022 139.573,75.997 139.573,69.088 130.302,69.088
  region net VBUS: 121.285,53.34 121.285,59.69 119.634,59.69 119.634,63.246 123.544,63.246 125.73,61.06 125.73,53.34
  region net NetF1_2: 135.255,52.07 140.335,52.07 140.894,51.511 141.757,51.511 141.757,50.902 140.589,50.902 140.589,49.098 141.757,49.098 141.757,48.489 139.7,48.489 139.7,50.927 135.255,50.927

## Silkscreen, mask and mechanical layers (free items; w line width, h text height)
Top Overlay:
  region: 118.618,61.214 118.237,60.833 118.999,60.833
  region: 115.316,60.833 114.935,60.452 115.697,60.452
  region: 112.014,61.214 111.633,60.833 112.395,60.833
  lines w0.2: 112.014,60.833 112.014,60.198 112.776,59.436 112.776,59.182 ; 115.316,59.182 115.316,60.579 ; 117.856,59.182 117.856,59.436 118.618,60.198 118.618,60.833
  text "TX" at 87.884,93.984 h1.5
  text "RX" at 90.424,93.984 h1.5
  text "BLK" at 43.942,85.598 h1
  text "3V3" at 88.9,62.247 h1.5
  text "Solar" at 112.377,61.722 h1.5 r90
  text "USB-C" at 119.108,61.722 h1.5 r90
  text "Battery" at 115.795,61.341 h1.5 r90
  text "VBUS" at 121.667,44.213 h1.5
  text "5V" at 100.584,39.641 h1.5
  text "VCC" at 75.693,38.619 h1
  text "Solar" at 133.096,12.717 h1.5
Mechanical 4:
  text "JLC04161H-7628 Stackup" at 170.302,65.73 h5

## Dimensions
0,100 to 150,100 on Dimensions
150,0 to 150,100 on Dimensions

## Text inside footprints (layer, text, board x,y; h text height)
D2: Top Overlay "BLK" at 39.066,90.395 h1.5 r90; Top Overlay "CS" at 36.508,90.649 h1.5 r90; Top Overlay "DC" at 34.224,90.649 h1.5 r90; Top Overlay "RST" at 31.682,90.395 h1.5 r90; Top Overlay "SDA" at 29.142,90.268 h1.5 r90; Top Overlay "SCL" at 26.348,90.395 h1.5 r90; Top Overlay "VCC" at 23.81,90.141 h1.5 r90; Top Overlay "GND" at 21.268,90.141 h1.5 r90